# KiCad board phase-control.kicad_pcb (continued)
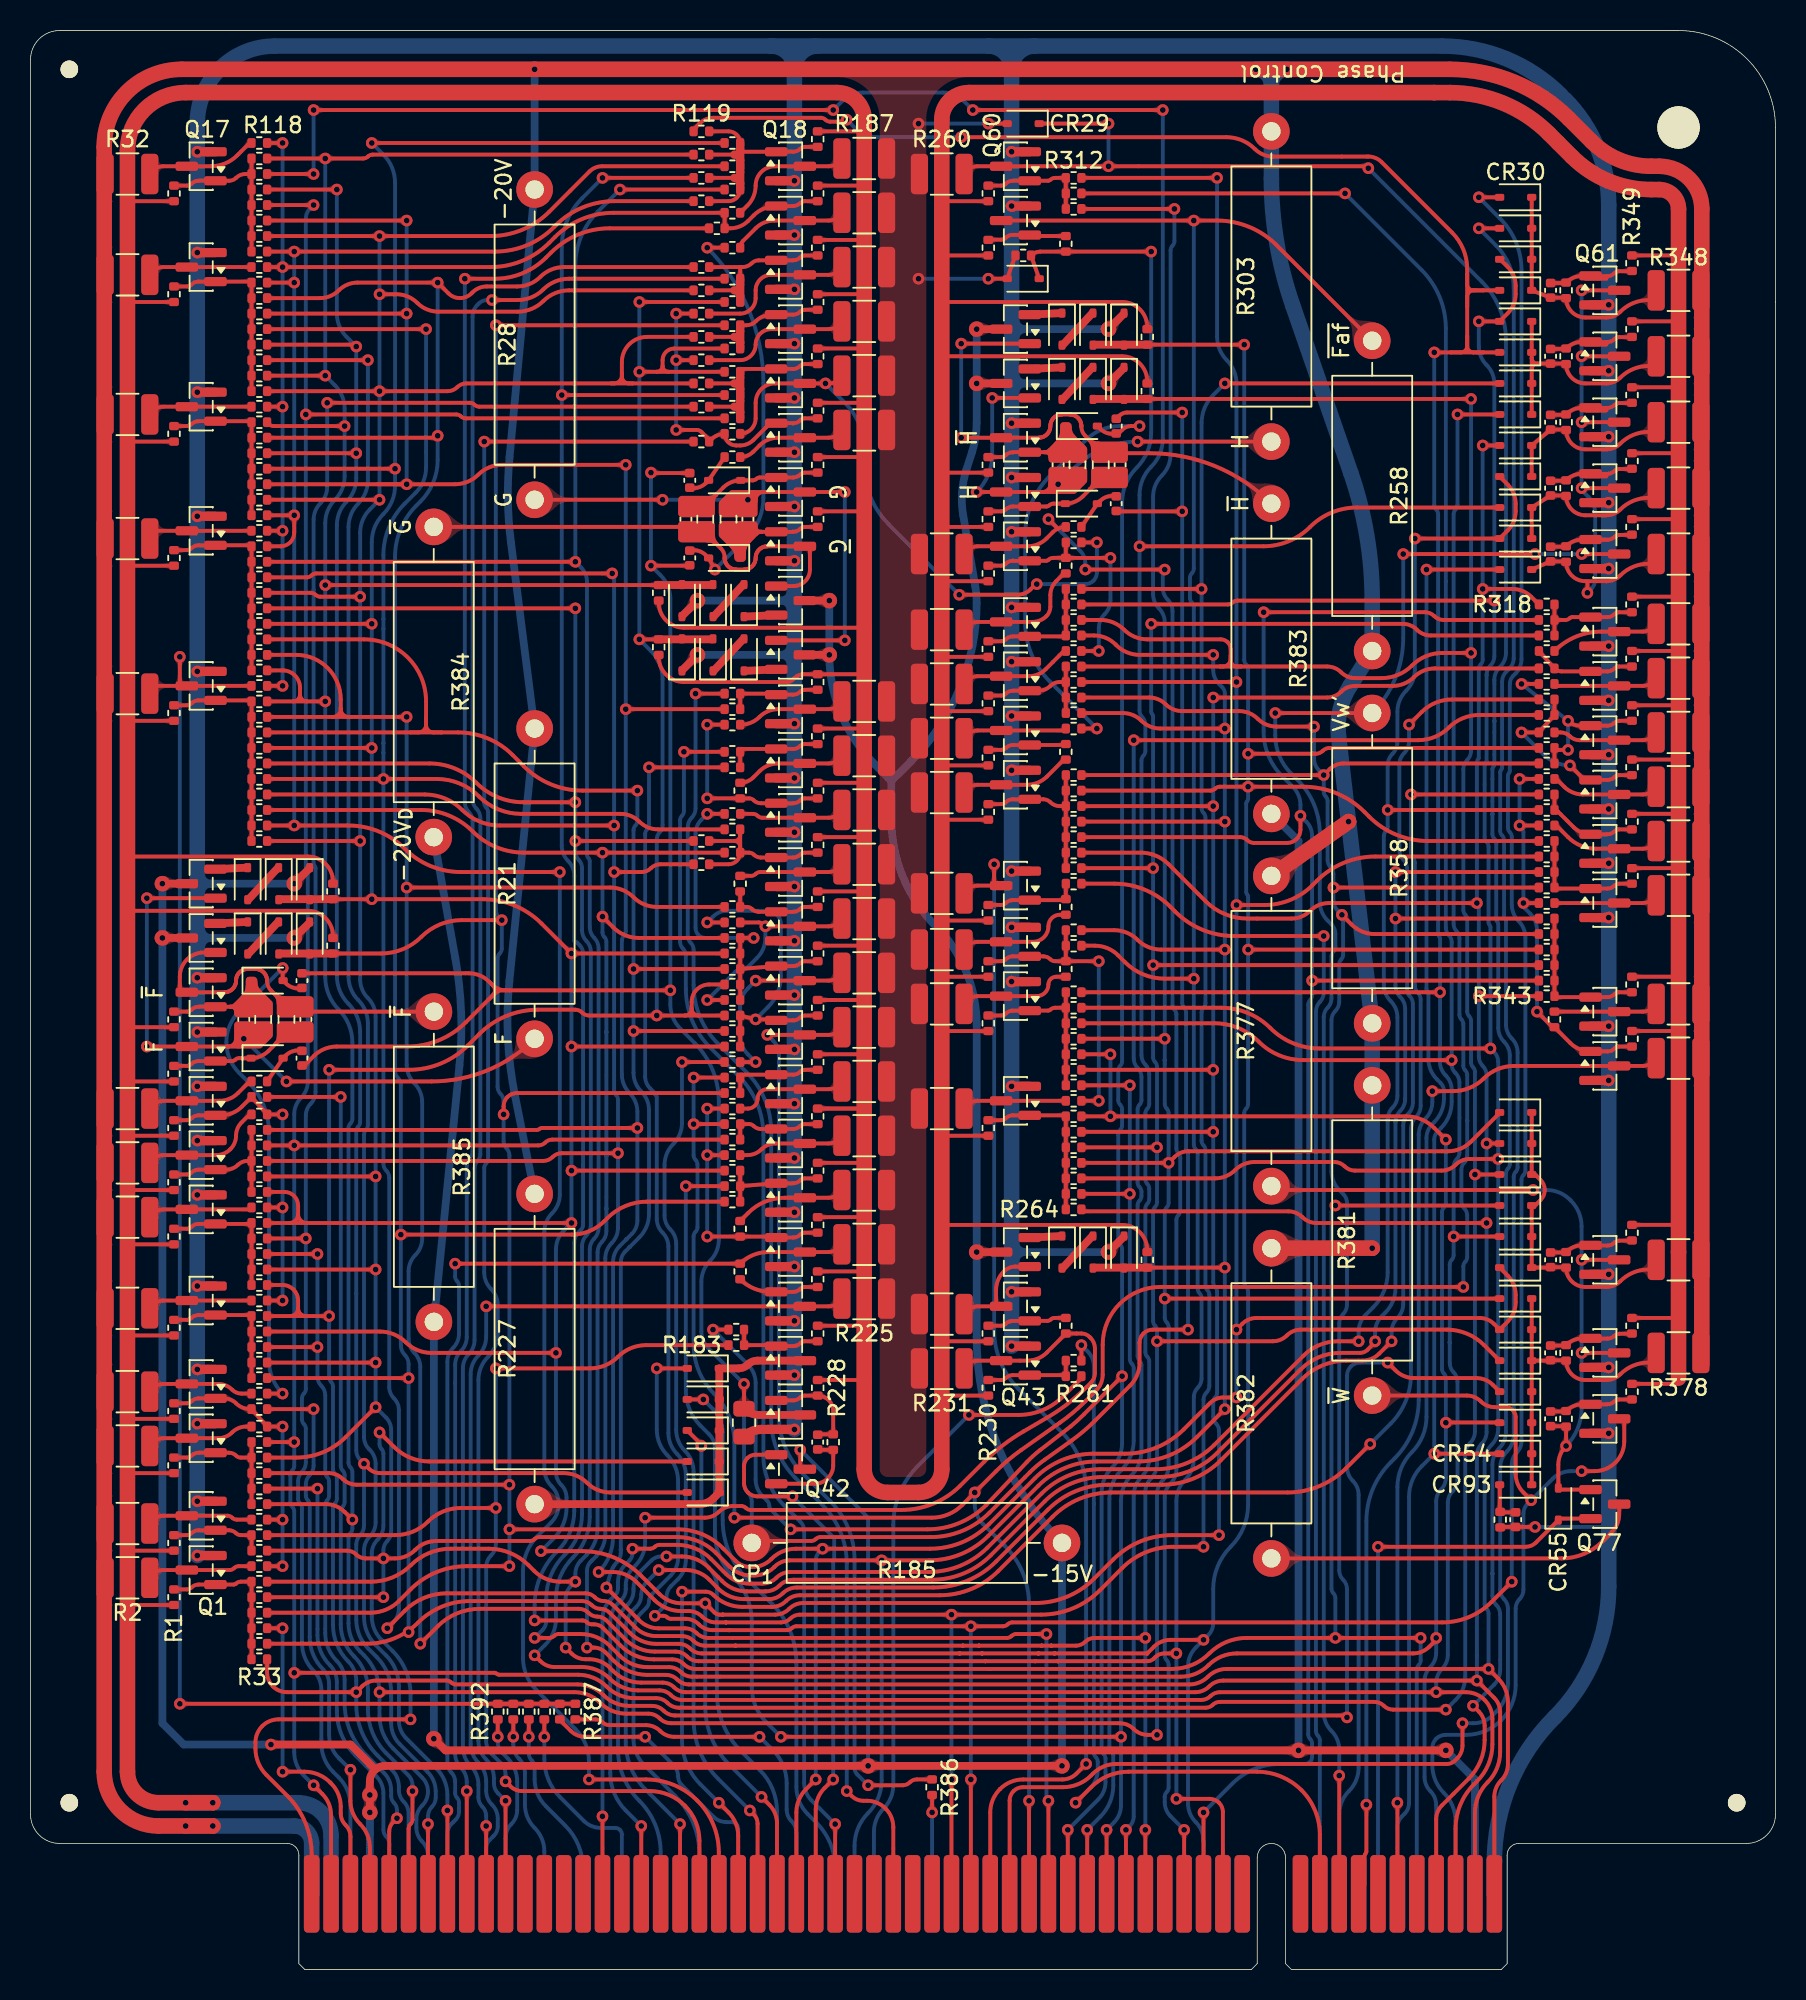
[diagram p0: board, top side]
## Routing (per net, layer and track width the routed paths; a pad name or vN(x,y) marks a point on that pad's centre or on a via; arc(x,y) is an arc through that point) (continued)
-20V: length 498
  Top w0.254: R309.2 CR28.2 v1(62.74,110.74) ; CR29.2 v1(62.74,120.9)
  Top w1.016: R377.1 v2(86.33,75.18) ; 109.47,39.62 109.47,115.32 arc(108.66,117.29) 106.68,118.11 106.17,118.11 arc(104.06,118.53) 102.27,119.73 100.77,121.23 arc(97.19,123.62) 92.96,124.46 v2(33.02,124.46) 9.91,124.46 arc(6.31,122.97) 4.83,119.38 4.83,12.95 arc(5.87,10.44) 8.38,9.4 v2(11.94,9.4) ; R382.1 v2(87.88,47.24)
  Bottom w0.254: v1(62.74,110.74) v1(58.17,110.74) ; v1(62.74,120.9) v1(58.17,120.9)
  Bottom w0.508: R227.1 31.73,57.23 arc(31.27,60.97) 31.37,64.74 R21.1 31.47,93.48 arc(31.27,96.27) 31.38,99.06 R28.1 v2(33.02,124.46)
  Bottom w1.016: v2(10.16,9.4) 17.27,9.4 arc(18.08,9.06) 18.41,8.25 18.41,4.95 ; R258.1 87.88,89.7 arc(87.53,93.92) 86.48,98.02 82.68,108.99 arc(81.63,113.09) 81.28,117.31 R303.1 81.28,123.44 ; R258.1 86.43,84.07 arc(85.77,82.48) 85.68,80.76 v2(86.33,75.18) R358.1 R381.1 v2(87.88,47.24) ; R258.1 87.71,86.18 ; 81.28,123.44 arc(81.58,124.16) v1(82.3,124.46) v1(80.26,124.46) arc(80.98,124.16) 81.28,123.44
-20V_{D}: length 198.2
  Top w0.508: v2(26.42,15.11) 27.18,14.35 v2(83.06,14.35) v2(92.71,14.35)
  Bottom w0.508: R384.1 27.83,66.21 arc(28.2,62.73) 28.1,59.23 R385.1 26.42,15.12 v2(26.42,15.11) ; 94.61,4.95 94.61,12.45 v2(92.71,14.35) ; R383.1 83.06,73.91 v2(83.06,14.35)
GND: length 641.8
  Top w0.254: v1(98.55,28.98) C900.1 96.34,28.98 arc(96.3,28.98) R900.2
  Top w0.508: v2(43.69,89.66) 42.7,88.67 ; v2(70.61,103.89) 71.6,104.88 ; v2(17.27,71.12) 18.26,72.11 ; v2(70.61,46.99) 71.6,47.98 ; v2(17.27,67.56) 18.26,68.56 ; v2(70.61,107.44) 71.6,108.43 ; v2(43.69,86.11) 42.7,85.11
  Top w0.6: Q19.2 v1(50.04,113.6) ; Q10.2 v1(10.92,64.96) ; Q67.2 v1(103.38,83.12) ; Q33.2 v1(50.04,63.82) ; Q49.2 v1(64.26,71.94) ; Q46.2 v1(64.26,57.85) ; Q65.2 v1(103.38,91.76) ; Q20.2 v1(50.04,110.05) ; Q22.2 v1(50.04,102.94) ; Q6.2 v1(10.92,50.73) ; Q9.2 v1(10.92,61.4) ; Q44.2 v1(64.26,44.38) ; Q70.2 v1(103.38,72.46) ; Q2.2 v1(10.92,30.67) ; Q69.2 v1(103.38,76.01) ; Q18.2 v1(50.04,117.16) ; Q75.2 v1(103.38,39.44) ; Q15.2 v1(10.92,103.31) ; Q56.2 v1(64.26,101.28) ; Q63.2 v1(103.38,100.4) ; Q23.2 v1(50.04,99.38) ; Q47.2 v1(64.26,64.7) ; Q25.2 v1(50.04,92.27) ; Q73.2 v1(103.38,58.23) ; Q71.2 v1(103.38,68.9) ; Q54.2 v1(64.26,94.17) ; Q40.2 v1(50.04,38.93) ; Q30.2 v1(50.04,74.49) ; Q52.2 v1(64.26,85.66) ; Q32.2 v1(50.04,67.38) ; Q43.2 v1(64.26,40.83) ; Q68.2 v1(103.38,79.57) ; Q4.2 v1(10.92,39.3) ; Q51.2 v1(64.26,82.1) ; Q14.2 v1(10.92,95.18) ; Q76.2 v1(103.38,35.12) ; Q66.2 v1(103.38,86.68) ; Q31.2 v1(50.04,70.93) ; Q5.2 v1(10.92,44.76) ; Q16.2 v1(10.92,112.46) ; Q17.2 v1(10.92,119.06) ; Q60.2 v1(64.26,119.06) ; Q1.2 v1(10.92,27.11) ; Q3.2 v1(10.92,35.75) ; Q34.2 v1(50.04,60.26) ; Q37.2 v1(50.04,49.6) ; Q38.2 v1(50.04,46.04) ; Q74.2 v1(103.38,45.53) ; Q53.2 v1(64.26,89.21) ; Q61.2 v1(103.38,109.03) ; v1(50.04,35.37) Q41.2 47.87,35.37 arc(47.26,35.25) R229.2 ; Q21.2 v1(50.04,106.49) ; Q36.2 v1(50.04,53.15) ; Q24.2 v1(50.04,95.82) ; Q62.2 v1(103.38,104.71) ; Q64.2 v1(103.38,96.08) ; Q35.2 v1(50.04,56.71) ; Q7.2 v1(10.92,54.29) ; Q72.2 v1(103.38,61.79) ; Q59.2 v1(64.26,115.5) ; Q50.2 v1(64.26,78.55) ; Q39.2 v1(50.04,42.48) ; Q28.2 v1(50.04,81.6) ; Q48.2 v1(64.26,68.26) ; Q29.2 v1(50.04,78.04) ; Q13.2 v1(10.92,85.02) ; Q8.2 v1(10.92,57.85) ; Q55.2 v1(64.26,97.72)
  Bottom w0.254: v1(98.55,28.98) 103.31,28.98
  Bottom w0.508: 65.15,103.89 v2(70.61,103.89) ; 65.15,103.89 arc(64.7,103.7) 64.52,103.25 ; 65.15,103.89 arc(64.7,104.07) 64.52,104.52 ; 65.15,107.44 v2(70.61,107.44) ; 65.15,107.44 arc(64.7,107.63) 64.52,108.08 ; 65.15,107.44 arc(64.7,107.26) 64.52,106.81 ; 49.15,86.11 v2(43.69,86.11) ; 49.15,86.11 arc(49.6,85.92) 49.78,85.47 ; 49.15,86.11 arc(49.6,86.29) 49.78,86.74 ; 65.15,46.99 v2(70.61,46.99) ; 65.15,46.99 arc(64.7,47.18) 64.52,47.62 ; 65.15,46.99 arc(64.7,46.8) 64.52,46.35 ; 11.81,71.12 v2(17.27,71.12) ; 11.81,71.12 arc(11.36,70.93) 11.18,70.48 ; 11.81,71.12 arc(11.36,71.31) 11.18,71.75 ; 11.81,67.56 v2(17.27,67.56) ; 11.81,67.56 arc(11.36,67.38) 11.18,66.93 ; 11.81,67.56 arc(11.36,67.75) 11.18,68.2 ; 49.15,89.66 v2(43.69,89.66) ; 49.15,89.66 arc(49.6,89.48) 49.78,89.03 ; 49.15,89.66 arc(49.6,89.85) 49.78,90.3
  Bottom w1.016: 64.26,124.46 v1(64.26,119.06) v1(64.26,40.83) ; 64.26,124.46 arc(63.82,125.54) 62.74,125.98 ; 64.26,124.46 arc(64.71,125.54) 65.79,125.98 ; v1(10.92,27.11) 10.92,120.9 arc(12.41,124.5) 16,125.98 48.51,125.98 ; 50.04,124.46 v1(50.04,35.37) ; 50.04,124.46 arc(50.48,125.54) 51.56,125.98 ; 50.04,124.46 arc(49.59,125.54) 48.51,125.98 ; 48.51,125.98 62.74,125.98 ; 95.89,4.95 95.89,7.01 arc(96.91,12.15) 99.82,16.51 arc(102.45,20.45) 103.38,25.09 103.38,115.57 arc(102.63,119.32) 100.5,122.51 ; 62.74,125.98 65.79,125.98 ; 65.79,125.98 92.46,125.98 arc(96.68,125.14) 100.26,122.75
/F Flip-Flop/F': length 7
  Top w0.254: R8.2 8.07,38.1 arc(8.35,38.29) 8.68,38.35 Q4.3 12.29,38.35 arc(12.79,38.25) 13.21,37.97 arc(13.49,37.79) 13.82,37.72 R50.1
/F Flip-Flop/F_{S}: length 42.3
  Top w0.254: Q12.1 7.69,70.17 ; v1(7.62,60.45) Q9.3 12.89,60.45 ; 12.89,60.45 13.84,60.45 ; 12.89,60.45 12.95,60.45 arc(13.31,60.6) 13.46,60.96 13.46,61.09 ; v1(16.76,58.17) 26.27,58.17 arc(29.93,58.89) R21.2
  Bottom w0.254: v1(7.62,70.17) v1(7.62,60.45) ; v1(13.97,60.96) v1(16.76,58.17)
/F Flip-Flop/~{F'}: length 7
  Top w0.254: R16.2 8.07,56.64 arc(8.35,56.83) 8.68,56.9 Q8.3 12.36,56.9 arc(13.03,57.03) 13.59,57.4 14.26,58.08
/F Flip-Flop/~{F_{S}}: length 21.9
  Top w0.254: 16,63.88 16.08,63.81 ; 16,63.88 15.73,64.15 arc(15.56,64.41) 15.49,64.73 15.49,64.75 arc(15.49,64.77) 15.49,64.79 arc(15.49,64.81) 15.49,64.82 15.49,64.84 arc(15.49,64.88) 15.48,64.91 arc(15.47,64.94) 15.46,64.98 arc(15.45,65.01) 15.44,65.05 arc(15.43,65.08) 15.41,65.11 arc(15.4,65.14) 15.38,65.17 arc(15.36,65.2) 15.34,65.23 arc(15.32,65.26) 15.29,65.28 arc(15.27,65.31) 15.25,65.33 arc(15.22,65.36) 15.19,65.38 arc(15.16,65.4) 15.13,65.42 arc(15.1,65.44) 15.07,65.45 arc(15.04,65.47) 15.01,65.48 arc(14.97,65.49) 14.94,65.5 arc(14.91,65.51) 14.87,65.52 arc(14.84,65.52) 14.8,65.53 14.78,65.53 arc(14.77,65.53) 14.75,65.53 arc(14.73,65.53) 14.71,65.53 14.24,65.53 arc(14.22,65.53) 14.21,65.53 arc(14.19,65.53) 14.17,65.53 14.15,65.53 arc(14.12,65.52) 14.08,65.52 arc(14.05,65.51) 14.02,65.5 arc(13.98,65.49) 13.95,65.48 arc(13.92,65.47) 13.88,65.45 arc(13.85,65.44) 13.82,65.42 arc(13.79,65.4) 13.76,65.38 arc(13.74,65.36) 13.71,65.33 arc(13.69,65.31) 13.66,65.28 arc(13.64,65.26) 13.62,65.23 arc(13.6,65.2) 13.58,65.17 arc(13.56,65.14) 13.54,65.11 arc(13.53,65.08) 13.51,65.05 arc(13.5,65.01) 13.49,64.98 arc(13.48,64.94) 13.48,64.91 arc(13.47,64.88) 13.47,64.84 arc(13.46,64.81) 13.46,64.77 arc(13.46,64.73) 13.46,64.7 arc(13.45,64.66) 13.45,64.63 arc(13.44,64.6) 13.43,64.56 arc(13.42,64.53) 13.41,64.49 arc(13.4,64.46) 13.38,64.43 arc(13.37,64.4) 13.35,64.37 arc(13.33,64.34) 13.31,64.31 arc(13.29,64.28) 13.26,64.26 arc(13.24,64.23) 13.21,64.21 arc(13.19,64.18) 13.16,64.16 arc(13.13,64.14) 13.1,64.12 arc(13.07,64.1) 13.04,64.09 arc(13.01,64.07) 12.98,64.06 arc(12.94,64.05) 12.91,64.04 arc(12.87,64.03) 12.84,64.02 arc(12.81,64.02) 12.77,64.01 12.75,64.01 arc(12.74,64.01) 12.72,64.01 arc(12.7,64.01) 12.68,64.01 Q10.3 ; 16,63.88 16.64,63.25 ; 16,63.88 arc(16.28,63.69) 16.62,63.63 16.64,63.63 ; 16,63.88 arc(16.19,63.6) 16.26,63.27 16.26,63.25 ; 26.42,62.74 18.03,62.74 ; 9.78,64.01 9.78,65.02 arc(10.24,66.15) 11.37,66.61
/G Flip-Flop/G': length 7.6
  Top w0.254: R189.2 52.89,114.81 arc(52.61,114.62) 52.28,114.55 Q19.3 48.72,114.55 arc(48.06,114.42) 47.5,114.05 46.67,113.21 arc(46.53,113.01) R128.1
/G Flip-Flop/G_{S}: length 35.4
  Top w0.254: v1(53.34,96.77) Q24.3 48.07,96.77 ; v1(53.34,87.06) Q27.1 ; 48.07,96.77 48.01,96.77 arc(47.65,96.63) 47.5,96.27 47.5,96.14 ; 48.07,96.77 47.12,96.77 ; v1(41.4,96.27) R28.2
  Bottom w0.254: v1(41.4,96.27) v1(46.99,96.27) ; v1(53.34,87.06) v1(53.34,96.77)
/G Flip-Flop/~{G'}: length 7.2
  Top w0.254: R197.2 52.89,100.58 arc(52.61,100.4) 52.28,100.33 Q23.3 48.98,100.33 arc(48.31,100.2) 47.75,99.82 47.35,99.42 arc(46.95,99.15) R145.2
/G Flip-Flop/~{G_{S}}: length 31.6
  Top w0.254: C5.2 42.93,93.85 ; Q26.1 49.97,90.61 arc(50.74,90.93) 51.05,91.69 51.05,93.22 ; Q25.3 48.28,93.22 arc(48.26,93.22) 48.24,93.22 arc(48.22,93.22) 48.21,93.22 48.19,93.21 arc(48.15,93.21) 48.12,93.2 arc(48.09,93.2) 48.05,93.19 arc(48.02,93.18) 47.98,93.17 arc(47.95,93.15) 47.92,93.14 arc(47.89,93.12) 47.86,93.1 arc(47.83,93.08) 47.8,93.06 arc(47.77,93.04) 47.75,93.02 arc(47.72,92.99) 47.7,92.97 arc(47.67,92.94) 47.65,92.92 arc(47.63,92.89) 47.61,92.86 arc(47.59,92.83) 47.58,92.8 arc(47.56,92.76) 47.55,92.73 arc(47.54,92.7) 47.53,92.66 arc(47.52,92.63) 47.51,92.6 arc(47.51,92.56) 47.5,92.53 arc(47.5,92.49) 47.5,92.46 arc(47.5,92.42) 47.49,92.39 arc(47.49,92.35) 47.48,92.32 arc(47.48,92.28) 47.47,92.25 arc(47.46,92.21) 47.45,92.18 arc(47.43,92.15) 47.42,92.12 arc(47.4,92.09) 47.38,92.06 arc(47.36,92.03) 47.34,92 arc(47.32,91.97) 47.3,91.94 arc(47.27,91.92) 47.25,91.89 arc(47.22,91.87) 47.2,91.85 arc(47.17,91.83) 47.14,91.81 arc(47.11,91.79) 47.08,91.77 arc(47.04,91.76) 47.01,91.75 arc(46.98,91.73) 46.94,91.72 arc(46.91,91.71) 46.88,91.71 arc(46.84,91.7) 46.81,91.7 46.79,91.7 arc(46.77,91.69) 46.75,91.69 arc(46.74,91.69) 46.72,91.69 46.25,91.69 arc(46.23,91.69) 46.21,91.69 arc(46.19,91.69) 46.18,91.7 46.16,91.7 arc(46.12,91.7) 46.09,91.71 arc(46.05,91.71) 46.02,91.72 arc(45.99,91.73) 45.95,91.75 arc(45.92,91.76) 45.89,91.77 arc(45.86,91.79) 45.83,91.81 arc(45.8,91.83) 45.77,91.85 arc(45.74,91.87) 45.71,91.89 arc(45.69,91.92) 45.67,91.94 arc(45.64,91.97) 45.62,92 arc(45.6,92.03) 45.58,92.06 arc(45.56,92.09) 45.55,92.12 arc(45.53,92.15) 45.52,92.18 arc(45.51,92.21) 45.5,92.25 arc(45.49,92.28) 45.48,92.32 arc(45.47,92.35) 45.47,92.39 45.47,92.4 arc(45.47,92.42) 45.47,92.44 arc(45.47,92.46) 45.47,92.47 45.47,92.5 arc(45.4,92.81) 45.23,93.08 44.96,93.34 ; 44.96,93.34 44.88,93.42 ; 44.96,93.34 44.32,93.98 ; 44.96,93.34 arc(44.68,93.53) 44.34,93.6 44.32,93.6 ; 44.96,93.34 arc(44.77,93.63) 44.7,93.96 44.7,93.98 ; 26.42,94.49 42.93,94.49
/H Flip-Flop/H': length 6.9
  Top w0.254: R292.1 67.82,81.22 arc(67.8,81.17) 67.75,81.15 Q51.3 62.02,81.15 arc(61.69,81.09) 61.41,80.9 R246.2
/H Flip-Flop/H_{S}: length 30
  Top w0.254: v1(72.52,100.08) R303.2 ; 66.23,96.77 Q55.3 v1(61.98,96.77) ; 66.23,96.77 66.29,96.77 arc(66.65,96.92) 66.8,97.28 66.8,97.41 ; 66.23,96.77 67.18,96.77 ; v1(62.99,102.94) Q57.1
  Bottom w0.254: v1(62.99,102.94) 62.99,99.23 arc(62.73,97.9) v1(61.98,96.77) ; v1(67.31,97.28) 68.4,98.37 arc(70.29,99.63) v1(72.52,100.08)
/H Flip-Flop/~{H_{S}}: length 34.6
  Top w0.254: v1(60.96,100.33) Q56.3 66.02,100.33 arc(66.04,100.33) 66.06,100.33 arc(66.08,100.33) 66.09,100.33 66.11,100.33 arc(66.15,100.34) 66.18,100.34 arc(66.21,100.35) 66.25,100.36 arc(66.28,100.37) 66.32,100.38 arc(66.35,100.4) 66.38,100.41 arc(66.41,100.43) 66.44,100.44 arc(66.47,100.46) 66.5,100.48 arc(66.53,100.51) 66.55,100.53 arc(66.58,100.55) 66.6,100.58 arc(66.63,100.61) 66.65,100.63 arc(66.67,100.66) 66.69,100.69 arc(66.71,100.72) 66.72,100.75 arc(66.74,100.78) 66.75,100.82 arc(66.76,100.85) 66.77,100.88 arc(66.78,100.92) 66.79,100.95 arc(66.79,100.99) 66.8,101.02 arc(66.8,101.06) 66.8,101.09 arc(66.8,101.13) 66.81,101.16 arc(66.81,101.2) 66.82,101.23 arc(66.82,101.27) 66.83,101.3 arc(66.84,101.33) 66.85,101.37 arc(66.87,101.4) 66.88,101.43 arc(66.9,101.46) 66.92,101.49 arc(66.94,101.52) 66.96,101.55 arc(66.98,101.58) 67,101.61 arc(67.03,101.63) 67.05,101.65 arc(67.08,101.68) 67.1,101.7 arc(67.13,101.72) 67.16,101.74 arc(67.19,101.76) 67.22,101.77 arc(67.26,101.79) 67.29,101.8 arc(67.32,101.81) 67.36,101.82 arc(67.39,101.83) 67.42,101.84 arc(67.46,101.85) 67.49,101.85 67.51,101.85 arc(67.53,101.85) 67.55,101.85 arc(67.56,101.85) 67.58,101.85 68.05,101.85 arc(68.07,101.85) 68.09,101.85 arc(68.11,101.85) 68.12,101.85 68.14,101.85 arc(68.18,101.85) 68.21,101.84 arc(68.25,101.83) 68.28,101.82 arc(68.31,101.81) 68.35,101.8 arc(68.38,101.79) 68.41,101.77 arc(68.44,101.76) 68.47,101.74 arc(68.5,101.72) 68.53,101.7 arc(68.56,101.68) 68.59,101.65 arc(68.61,101.63) 68.63,101.61 arc(68.66,101.58) 68.68,101.55 arc(68.7,101.52) 68.72,101.49 arc(68.74,101.46) 68.75,101.43 arc(68.77,101.4) 68.78,101.37 arc(68.79,101.33) 68.8,101.3 arc(68.81,101.27) 68.82,101.23 arc(68.83,101.2) 68.83,101.16 68.83,101.14 arc(68.83,101.13) 68.83,101.11 arc(68.83,101.09) 68.83,101.07 68.83,101.05 arc(68.9,100.74) 69.07,100.47 69.34,100.2 ; 69.34,100.2 69.42,100.13 ; 69.34,100.2 69.98,99.57 ; 69.34,100.2 arc(69.53,99.92) 69.6,99.59 69.6,99.57 ; 69.34,100.2 arc(69.62,100.02) 69.96,99.95 69.98,99.95 ; 71.5,99.31 73.31,99.31 arc(77.62,98.46) R383.2 ; C10.2 71.37,99.69 ; v1(60.96,106.49) Q58.1
  Bottom w0.254: v1(60.96,106.49) v1(60.96,100.33)
A: length 151.7
  Top w0.254: v1(90.68,93.73) CR41.2 96.76,94.25 arc(97.15,94.83) 97.28,95.52 97.28,96 arc(97.15,96.68) 96.76,97.26 CR39.2 ; v1(37.47,10.03) 37.47,4.95 ; v1(39.43,27.56) 40.59,27.56 arc(40.75,27.59) 40.89,27.69 arc(41.03,27.78) 41.2,27.81 42.33,27.81 arc(43.55,27.57) 44.58,26.88 45.55,25.92 arc(46.26,25.44) 47.1,25.27 47.93,25.27 arc(48.43,25.37) 48.85,25.65 arc(49.27,25.94) 49.77,26.03 58.83,26.03 arc(60.92,26.45) 62.68,27.63 66.22,31.17 arc(67.99,32.35) 70.07,32.77 73.69,32.77 arc(75.77,33.18) 77.54,34.36 83.38,40.2 arc(84.43,40.9) 85.66,41.15 v1(87,41.15) ; v1(88.9,75.95) R331.1
  Bottom w0.254: v1(90.68,93.73) 90.68,85.14 arc(90.53,84.39) 90.11,83.76 arc(89.68,83.12) 89.54,82.38 89.54,80.4 arc(89.45,79.98) 89.22,79.63 arc(88.98,79.28) 88.9,78.86 v1(88.9,75.95) 88.9,74.86 arc(88.87,74.69) 88.77,74.55 arc(88.68,74.41) 88.65,74.24 88.65,64.51 arc(88.76,63.93) 89.09,63.44 arc(89.42,62.94) 89.54,62.36 89.54,57.22 arc(89.45,56.8) 89.22,56.45 arc(88.98,56.1) 88.9,55.68 88.9,45.67 arc(88.65,44.43) 87.95,43.37 87.44,42.87 arc(87.11,42.37) 86.99,41.78 86.99,41.15 arc(87,41.15) 87,41.15 v1(87,41.15) ; v1(37.47,10.03) 37.47,22.97 arc(37.6,23.63) 37.97,24.2 38.3,24.52 arc(38.43,24.72) 38.48,24.96 38.48,25.37 arc(38.6,25.98) 38.95,26.51 39.22,26.78 arc(39.37,27) 39.43,27.27 v1(39.43,27.56)
be: length 77
  Top w0.254: 43.81,4.95 43.81,8.43 arc(43.57,9.68) 42.86,10.73 arc(41.81,11.44) 40.56,11.68 32.2,11.68 arc(31.78,11.77) 31.43,12 v1(31.11,12.32) ; R183.1 40.32,40.89 arc(39.33,40.7) 38.48,40.13 arc(37.64,39.57) 36.64,39.37 v1(30.48,39.37) ; v1(30.48,30.23) 28.18,30.23 arc(27.02,29.99) 26.03,29.34 arc(25.05,28.68) 23.89,28.45 R41.1
  Bottom w0.254: v1(30.48,39.37) v1(30.48,30.23) 30.48,27.88 arc(30.4,27.47) 30.16,27.11 arc(29.93,26.76) 29.84,26.35 29.84,14.99 arc(29.94,14.52) 30.2,14.12 30.8,13.52 arc(31.03,13.17) 31.11,12.76 v1(31.11,12.32)
Bl: length 155.4
  Top w0.254: v1(39.5,65.53) R164.1 ; 49.94,21.72 49.94,21.72 ; 49.94,21.72 63.96,21.72 arc(64.12,21.75) 64.26,21.84 arc(64.4,21.94) 64.57,21.97 v1(66.55,21.97) ; 49.94,21.72 49.94,21.72 ; 49.94,21.72 arc(49.94,21.72) 49.94,21.72 ; 49.94,21.72 arc(49.94,21.72) 49.94,21.72 ; 49.94,21.72 44.39,21.72 arc(43.98,21.8) 43.64,22.03 arc(43.29,22.26) 42.88,22.34 41.14,22.34 arc(40.45,22.48) 39.86,22.87 v1(37.72,25.02) ; 25.91,82.04 25.91,81.52 arc(25.76,81.17) 25.41,81.03 24.89,81.03 ; 25.91,82.04 25.91,83.06 arc(24.72,85.93) 21.84,87.12 R86.1 ; 25.91,82.04 25.91,81.51 arc(26.05,81.17) 26.39,81.03 26.92,81.03 ; v1(66.67,11.05) 66.67,4.95 ; 26.92,81.03 24.89,81.03 ; 26.92,81.03 28,81.03 arc(29.94,80.64) 31.58,79.54 32.32,78.81 arc(34.08,77.63) 36.16,77.22 v1(39.75,77.22) ; 24.89,81.03 R80.1 ; v1(39.5,61.47) R168.1
  Bottom w0.254: 39.24,47.32 39.88,47.95 arc(40.35,48.66) 40.51,49.48 40.51,56.28 arc(40.38,56.95) 40,57.51 arc(39.63,58.07) 39.5,58.74 v1(39.5,61.47) v1(39.5,65.53) 39.5,74.62 arc(39.53,74.79) 39.62,74.93 arc(39.72,75.07) 39.75,75.24 v1(39.75,77.22) ; 39.24,47.32 39.24,47.32 ; 39.24,47.32 39.24,47.32 ; 39.24,47.32 arc(39.24,47.32) 39.24,47.32 ; 39.24,47.32 arc(39.24,47.32) 39.24,47.32 ; 39.24,47.32 38.95,47.03 arc(38.74,46.71) 38.66,46.33 38.66,27.49 ; 38.66,27.49 38.66,27.49 ; 38.66,27.49 38.66,27.49 ; 38.66,27.49 38.66,27.29 arc(38.6,26.96) 38.42,26.69 arc(38.32,26.58) 38.24,26.47 38.14,26.31 arc(38.06,26.16) 38,25.99 v1(37.72,25.02) 37.85,25.15 ; 38.66,27.49 arc(38.66,27.49) 38.66,27.49 ; 38.66,27.49 arc(38.66,27.49) 38.66,27.49 ; v1(66.67,11.05) 66.61,11.11 arc(66.56,11.18) 66.55,11.27 v1(66.55,21.97)
brc: length 122.2
  Top w0.254: v1(87.76,34.42) 86.17,32.83 arc(84.41,31.65) 82.34,31.24 70.79,31.24 arc(68.71,30.83) 66.94,29.65 63.4,26.1 arc(61.63,24.93) 59.55,24.51 50.4,24.51 arc(49.9,24.41) 49.48,24.13 arc(49.06,23.85) 48.56,23.75 46.64,23.75 arc(45.6,23.96) 44.71,24.55 arc(44.49,24.69) 44.23,24.75 v1(42.67,24.75) ; v1(45.08,10.92) 45.72,10.29 arc(46.19,9.58) 46.36,8.75 46.36,4.95 ; v1(90.42,76.96) R330.1
  Bottom w0.254: v1(42.67,24.75) 42.67,15.04 arc(42.99,13.46) 43.88,12.13 v1(45.08,10.92) ; v1(87.76,34.42) 89.09,35.75 arc(90.08,37.23) 90.42,38.97 90.42,55.05 arc(90.51,55.47) 90.74,55.82 arc(90.98,56.17) 91.06,56.59 91.06,63.52 arc(91.01,63.77) 90.87,63.98 arc(90.73,64.2) 90.68,64.44 90.68,72.48 arc(90.64,72.65) 90.55,72.79 arc(90.46,72.93) 90.42,73.1 v1(90.42,76.96)
C: length 177.3
  Top w0.254: v1(43.43,55.37) R174.1 ; v1(93.47,101.85) CR37.2 ; v1(93.85,44.7) 74.02,44.7 arc(71.34,43.6) 70.23,40.92 70.23,38.96 arc(70.12,38.4) 69.81,37.93 69.09,37.22 arc(68.3,36.48) 67.44,35.82 64.9,34.03 arc(64.04,33.37) 63.24,32.63 v1(61.85,31.24) 61.02,30.42 arc(60.11,29.81) 59.03,29.59 v1(46.1,29.59) ; v1(43.43,58.42) R171.1 ; v1(65.4,11.05) 65.4,4.95
  Bottom w0.254: v1(61.85,31.24) 61.85,30.48 arc(61.99,29.78) 62.39,29.18 63.81,27.76 arc(64.99,25.99) 65.4,23.91 v1(65.4,11.05) ; v1(46.1,29.59) 46.1,34.5 arc(45.75,36.24) 44.77,37.72 arc(43.78,39.19) 43.43,40.94 43.43,48.02 arc(43.47,48.18) 43.56,48.32 arc(43.65,48.46) 43.69,48.63 43.69,52.72 arc(43.65,52.88) 43.56,53.02 arc(43.47,53.17) 43.43,53.33 v1(43.43,55.37) v1(43.43,58.42) ; 94.11,55.59 94.11,55.59 ; 94.11,55.59 94.11,55.59 ; 94.11,55.59 94.11,58.58 arc(94.07,58.75) 93.98,58.89 arc(93.89,59.03) 93.85,59.19 93.85,61.92 arc(93.82,62.09) 93.73,62.23 arc(93.63,62.37) 93.6,62.54 93.6,67.55 arc(93.55,67.8) 93.41,68.01 arc(93.27,68.22) 93.22,68.47 93.22,95.32 arc(93.25,95.49) 93.34,95.63 arc(93.44,95.77) 93.47,95.94 v1(93.47,101.85) ; 94.11,55.59 arc(94.11,55.59) 94.11,55.59 ; 94.11,55.59 arc(94.11,55.59) 94.11,55.59 ; 94.11,55.59 94.11,53.3 arc(94.06,53.06) 93.92,52.84 arc(93.78,52.63) 93.73,52.38 93.73,50.31 arc(93.78,50.06) 93.92,49.85 arc(94.06,49.64) 94.11,49.39 94.11,46.66 arc(94.07,46.5) 93.98,46.35 arc(93.89,46.21) 93.85,46.05 v1(93.85,44.7)
CP: length 34.9
  Top w0.254: Q42.1 47.49,33.72 arc(47.2,33.66) 46.96,33.49 arc(46.79,33.25) 46.74,32.96 46.74,31.86 arc(46.8,31.52) 46.99,31.24 arc(47.27,31.05) 47.6,30.99 v1(49.91,30.99) ; 51.44,4.95 51.44,10.49 arc(51.58,11.24) 52.01,11.87 v1(52.58,12.45)
  Bottom w0.254: v1(52.58,12.45) 52.58,26.76 arc(52.59,26.79) 52.61,26.8 arc(52.63,26.81) 52.64,26.83 52.64,28.29 arc(52.63,28.31) 52.61,28.32 arc(52.58,28.33) 52.55,28.34 v1(49.91,30.99)
CP_{1}: length 229.1
  Top w0.254: R185.2 47.31,28 arc(47.38,28.05) 47.46,28.07 51.13,28.07 arc(51.3,28.1) 51.44,28.19 arc(51.58,28.29) 51.75,28.32 58.96,28.32 arc(61.05,28.74) 62.81,29.91 65.13,32.23 65.46,32.56 arc(65.93,33) 66.44,33.39 68.19,34.64 arc(69,35.27) 69.75,35.97 72.03,38.25 arc(72.48,38.93) 72.64,39.73 72.64,41.04 arc(72.71,41.37) 72.9,41.66 arc(73.18,41.84) 73.51,41.91 v1(75.82,41.91) ; 30.05,63.58 28.52,62.05 arc(26.75,60.87) 24.67,60.45 20.06,60.45 arc(19.24,60.29) 18.56,59.83 17.99,59.26 arc(17.93,59.22) 17.86,59.21 C2.2 ; 30.05,63.58 30.38,63.91 arc(30.63,64.08) 30.93,64.14 31.4,64.13 ; 30.05,63.58 30.29,63.82 arc(30.42,64.14) 30.29,64.45 30.05,64.69 ; 31.4,64.13 31.11,64.13 arc(30.65,64.23) 30.25,64.49 30.05,64.69 ; 31.4,64.13 v1(41.91,64.13) ; C11.2 71.13,95.52 arc(71.15,95.51) 71.17,95.5 v1(75.44,95.5) ; v1(75.44,101.98) 71.82,101.98 arc(71.55,101.93) 71.32,101.78 C12.2 ; R229.1 v1(46.74,38.35) ; C6.2 40.69,98.02 arc(40.67,98.02) 40.65,98.03 v1(40.64,98.04) ; 30.05,64.69 arc(29.43,65.11) 28.7,65.25 C3.2 ; v1(40.64,91.95) 43.18,91.95
  Top w0.508: Q41.3 47.71,36.32 arc(47.18,36.43) R229.1
  Bottom w0.254: v1(75.44,101.98) v1(75.44,95.5) 75.44,63.31 arc(75.47,63.14) 75.56,63 arc(75.66,62.86) 75.69,62.69 75.69,53.72 ; 75.69,53.72 75.69,53.68 arc(75.7,53.64) 75.72,53.61 75.76,53.57 arc(75.8,53.5) 75.82,53.42 v1(75.82,41.91) ; 75.69,53.72 75.69,53.72 ; 75.69,53.72 75.69,53.72 ; 75.69,53.72 arc(75.69,53.72) 75.69,53.72 ; 75.69,53.72 arc(75.69,53.72) 75.69,53.72 ; v1(40.64,98.04) v1(40.64,91.95) 41.27,91.31 arc(41.74,90.61) 41.91,89.78 v1(41.91,64.13) 41.91,63.2 arc(42.08,62.34) 42.57,61.62 43.5,60.69 arc(44.67,58.93) 45.08,56.85 45.08,47.8 arc(44.94,47.05) 44.51,46.42 arc(44.09,45.79) 43.94,45.04 43.94,41.81 arc(44.06,41.2) 44.41,40.68 v1(46.74,38.35) 46.74,31.86 arc(46.8,31.52) 46.99,31.24 arc(47.18,30.96) 47.24,30.63 R185.2
F: length 401.4
  Top w0.254: R163.1 v1(35.43,66.55) 33.47,68.51 arc(31.71,69.69) 29.63,70.1 22.73,70.1 ; v1(77.47,76.2) R288.1 ; R322.1 91.99,85.22 arc(91.25,85.07) 90.61,84.65 arc(89.98,84.22) 89.23,84.07 86.77,84.07 arc(86.27,83.97) 85.85,83.69 arc(85.43,83.41) 84.93,83.31 v1(77.47,83.31) ; v1(23.88,98.3) R97.1 ; v1(33.43,27.4) 36.13,27.4 arc(38.22,26.99) 39.98,25.81 41.2,24.59 arc(41.87,24.14) 42.66,23.98 43.85,23.98 ; 22.73,70.1 22.48,70.1 ; 22.73,70.1 22.48,70.1 ; 22.48,70.1 R20.1 arc(19.81,70.1) 19.81,70.1 ; 22.48,70.1 v1(22.35,70.1) ; v1(34.42,40.39) 26.26,40.39 arc(25.35,40.57) 24.57,41.08 arc(23.8,41.6) 22.89,41.78 R54.1 ; v1(44.2,23.98) 44.8,23.38 arc(44.96,23.28) 45.14,23.24 45.34,23.24 ; 45.34,23.24 45.34,23.24 ; 45.34,23.24 48.77,23.24 arc(49.27,23.34) 49.69,23.62 arc(50.12,23.9) 50.61,24 65.82,24 arc(67.9,24.42) 69.67,25.6 70.92,26.85 arc(72.69,28.03) 74.77,28.45 v1(77.85,28.45) ; 45.34,23.24 arc(45.34,23.24) 45.34,23.24 ; 45.34,23.24 45.34,23.24 arc(45.34,23.24) 45.34,23.24 ; v1(22.35,119.63) R120.1 ; v1(35.43,60.45) R169.1 ; v1(77.47,58.93) R273.1 ; v1(22.35,80.01) R79.1 ; 16.95,48.89 R61.1 ; 16.95,48.89 18.1,48.89 ; 16.95,48.89 arc(17.36,49.06) 17.53,49.47 ; v1(77.47,54.86) R269.1 ; v1(22.35,88.14) R87.1 ; R63.1 16.64,50.93 arc(17.27,50.67) 17.53,50.04 17.53,49.47 ; v1(47.88,11.3) 48.39,10.79 arc(48.76,10.23) 48.89,9.57 48.89,4.95 ; v1(35.43,52.32) R177.1 ; 17.53,49.47 arc(17.69,49.06) 18.1,48.89 ; 18.1,48.89 v1(35.43,48.89)
  Top w0.508: R20.1 16.33,70.1
  Bottom w0.254: v1(22.35,119.63) 23.11,118.87 arc(23.68,118.03) 23.88,117.03 v1(23.88,98.3) 23.88,97.17 arc(23.68,96.18) 23.11,95.33 arc(22.55,94.49) 22.35,93.49 v1(22.35,88.14) v1(22.35,80.01) v1(22.35,70.1) ; v1(77.47,83.31) v1(77.47,76.2) v1(77.47,58.93) v1(77.47,54.86) 77.47,45.01 arc(77.5,44.84) 77.6,44.7 arc(77.69,44.56) 77.72,44.4 77.72,37.77 arc(77.69,37.61) 77.6,37.46 arc(77.5,37.32) 77.47,37.16 77.47,36.21 arc(77.52,35.96) 77.66,35.75 arc(77.8,35.54) 77.85,35.29 v1(77.85,28.45) ; v1(35.43,66.55) v1(35.43,60.45) v1(35.43,52.32) v1(35.43,48.89) 34.92,48.39 arc(34.55,47.82) 34.42,47.16 v1(34.42,40.39) 34.42,32.58 arc(34.51,32.12) 34.76,31.74 arc(35.02,31.36) 35.11,30.91 35.11,30.24 arc(34.9,29.16) 34.29,28.25 v1(33.43,27.4) ; v1(44.2,23.98) 44.2,17.24 arc(44.61,15.16) 45.79,13.39 v1(47.88,11.3)
Fa: length 21.4
  Top w0.254: 20.95,4.95 20.95,8.69 arc(20.87,9.11) 20.64,9.46 arc(20.4,9.81) 20.32,10.23 20.32,10.67 arc(20.16,11.49) 19.69,12.19 19.62,12.26 arc(18.85,12.77) 17.94,12.95 v1(16.51,12.95) ; v1(16.51,22.35) R35.1
  Bottom w0.254: v1(16.51,12.95) v1(16.51,22.35)
Faf: length 160.8
  Top w0.254: v1(67.95,9.14) 67.95,4.95 ; v1(73.41,112.52) R308.1 66.14,112.52 arc(65.81,112.45) R309.1 CR28.1 ; v1(49.78,28.83) 58.75,28.83 arc(60.84,29.24) 62.6,30.42 65.25,33.23 arc(65.67,33.64) 66.13,34.02 68.13,35.57 arc(68.57,35.95) 68.99,36.35 v1(71.5,38.86) ; v1(44.7,41.91) R182.1
  Bottom w0.254: v1(67.95,9.14) 69.95,11.15 arc(70.29,11.66) 70.41,12.27 70.41,13.81 arc(70.38,13.97) 70.29,14.12 arc(70.19,14.26) 70.16,14.42 70.16,31.24 arc(70.34,32.12) 70.83,32.86 arc(71.33,33.6) 71.5,34.48 v1(71.5,38.86) 71.5,47.18 arc(71.47,47.34) 71.37,47.49 arc(71.28,47.63) 71.25,47.79 71.25,54.68 arc(71.28,54.85) 71.37,54.99 arc(71.47,55.13) 71.5,55.3 71.5,56.34 arc(71.47,56.5) 71.37,56.64 arc(71.28,56.78) 71.25,56.95 71.25,58.88 arc(71.28,59.04) 71.37,59.18 arc(71.47,59.32) 71.5,59.49 71.5,96.06 arc(71.75,97.31) 72.45,98.36 arc(73.16,99.42) 73.41,100.66 v1(73.41,112.52) ; v1(44.7,41.91) 46.99,39.62 arc(47.37,39.06) 47.5,38.4 47.5,37.14 47.5,32.08 arc(47.61,31.5) 47.94,31.01 48.27,30.68 arc(48.36,30.55) 48.39,30.39 arc(48.42,30.24) 48.51,30.11 v1(49.78,28.83)
Fb: length 50.4
  Top w0.254: v1(18.8,40.77) R53.1 ; 23.49,4.95 23.49,9.04 arc(23.56,9.37) 23.75,9.65 v1(24,9.91) ; v1(18.8,46.86) R59.1
  Bottom w0.254: v1(24,9.91) 24,10.44 arc(23.95,10.69) 23.81,10.9 arc(23.67,11.11) 23.62,11.36 23.62,11.75 arc(23.5,12.35) 23.16,12.87 22,14.03 arc(20.94,15.6) 20.57,17.46 20.57,18.97 arc(20.44,19.64) 20.06,20.21 arc(19.5,21.05) 19.3,22.03 19.3,30.43 arc(19.34,30.59) 19.43,30.73 arc(19.52,30.87) 19.56,31.04 19.56,31.95 arc(19.52,32.12) 19.43,32.26 arc(19.34,32.4) 19.3,32.56 19.3,37.61 arc(19.24,37.95) 19.05,38.23 arc(18.86,38.51) 18.8,38.84 v1(18.8,40.77) v1(18.8,46.86)